# KiCad board SONATA-ONE.kicad_pcb (continued)
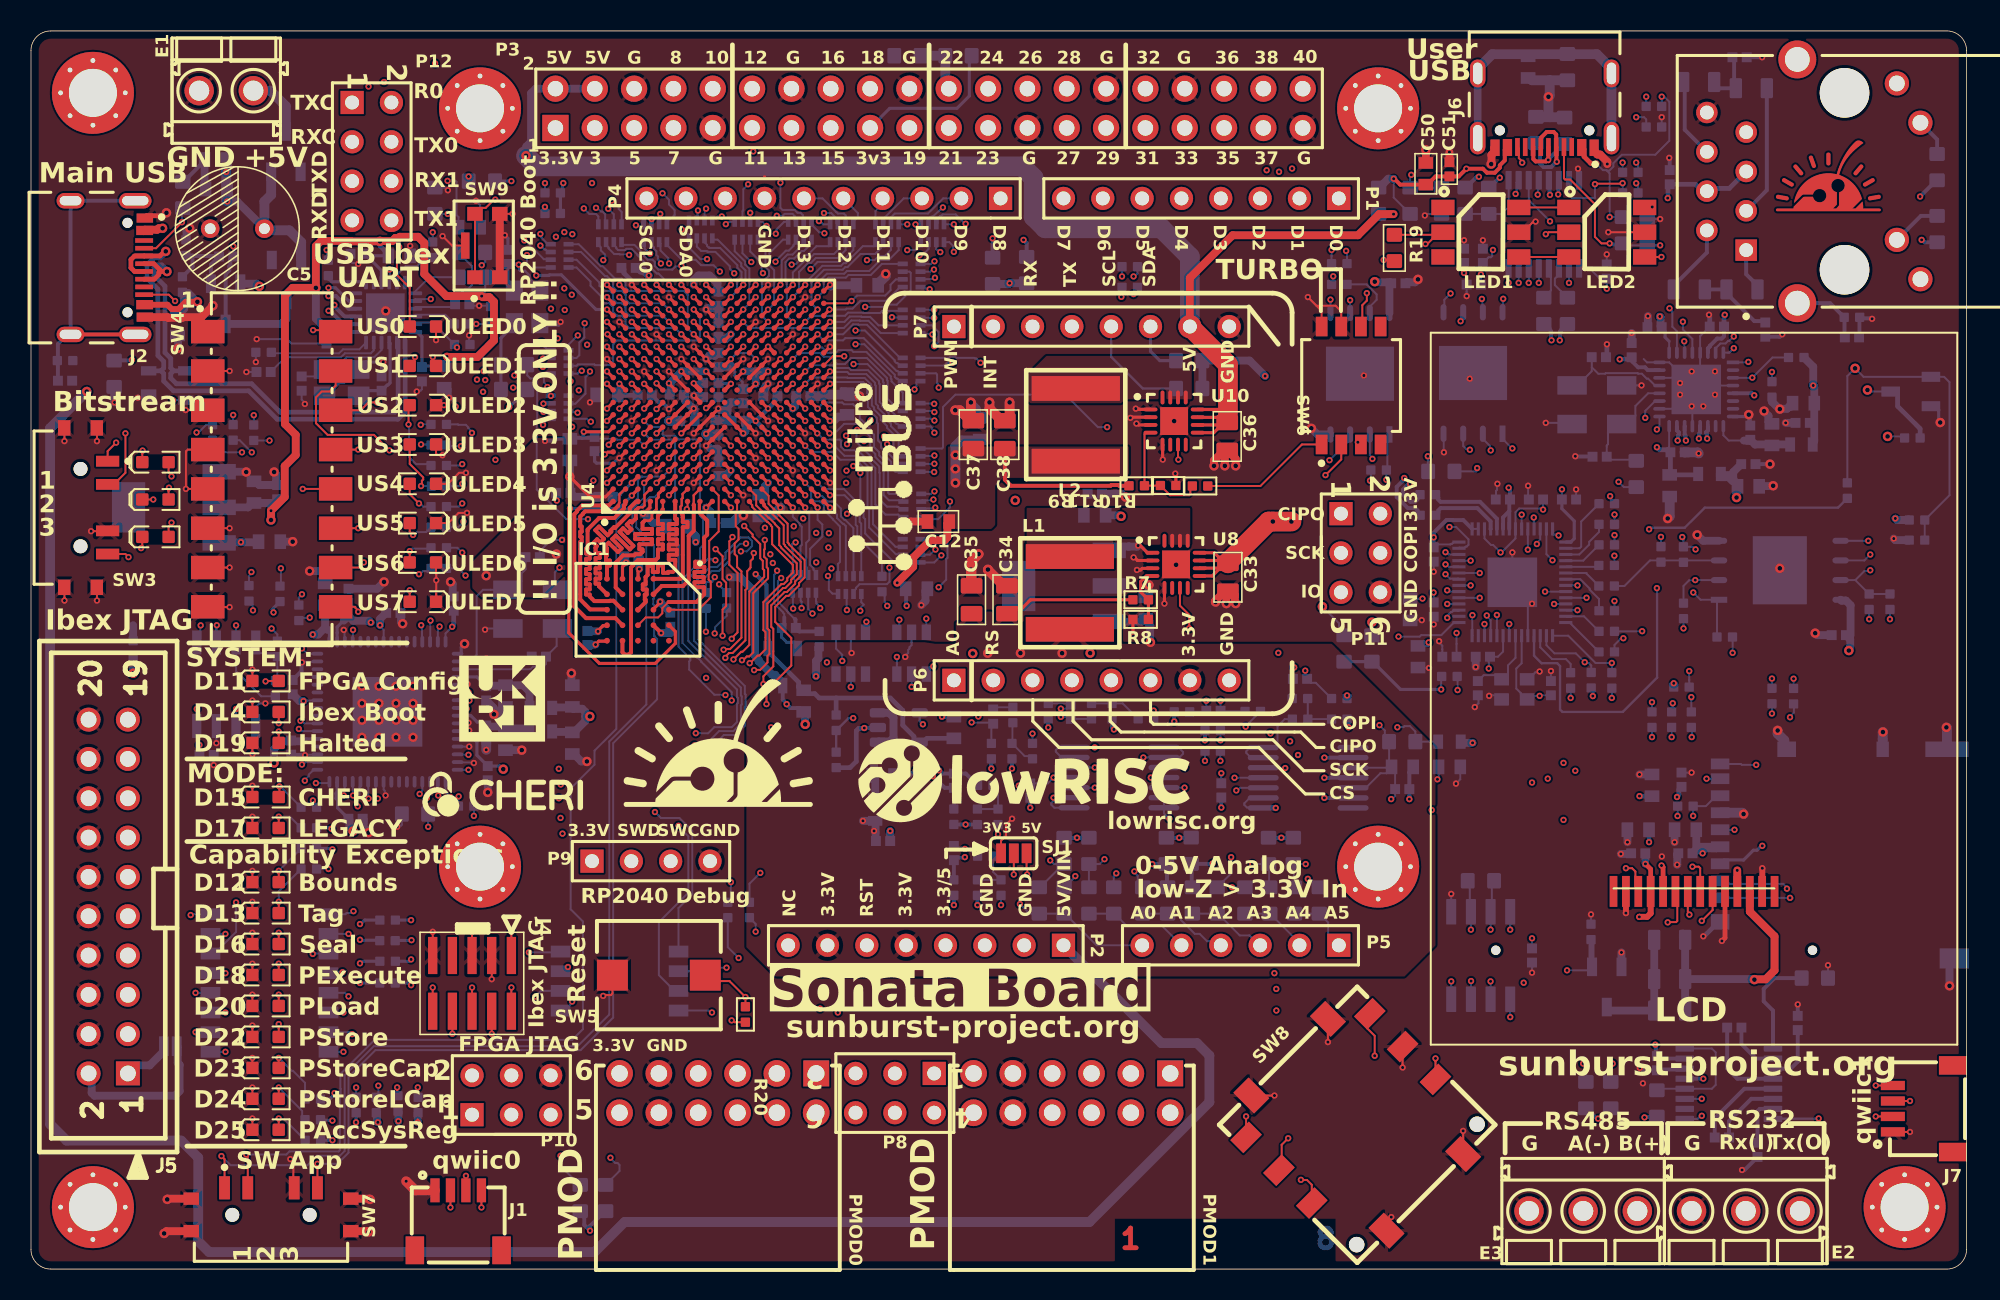
[diagram p0: board, top side]
## Routing (per net, layer and track width the routed paths; a pad name or vN(x,y) marks a point on that pad's centre or on a via; arc(x,y) is an arc through that point) (continued)
/FTDI Debug/CHC_TXD: length 45.3
  In6.Cu w0.127: P12.1 19.25,73.89 19.25,66.25 19.99,65.51 19.99,56.32 17.94,54.28 17.94,49.8 17.5,49.37 17.5,44.89 17.74,44.66 17.74,44.22 18.09,43.86 18.09,43.54 17.94,43.39 17.94,43.38 16.39,41.83 16.39,41.33 16.04,40.97 16.04,36.16 v2(17.3,34.9)
  Bottom w0.127: v2(17.3,34.9) 17.38,34.9 17.52,34.76 U5.38
/FTDI Debug/CHD_RXD: length 32.4
  In6.Cu w0.127: v2(20.8,41.3) 20.41,41.69 18.91,41.69 18.71,41.9 18.71,43.07 18.86,43.22 18.86,44.18 18.71,44.33 18.71,44.39 19,44.68 19,45.52 18.71,45.81 18.71,53.96 23.18,58.44 23.18,60.34 23.41,60.57 23.41,62.79 22,64.2 22,66.5 P12.7
  Bottom w0.127: U5.52 20.79,40.55 20.79,41.29 v2(20.8,41.3)
/FTDI Debug/CHD_TXD: length 34.8
  In6.Cu w0.127: P12.5 19.76,69.32 19.76,66.46 20.5,65.72 20.5,56.11 18.45,54.06 18.45,45.71 18.75,45.41 18.75,44.79 18.45,44.49 18.45,44.22 18.6,44.07 18.6,43.33 18.45,43.18 18.45,41.65 18.6,41.5 18.6,39.98 18.38,39.76 17.84,39.76 v2(17.5,40.1)
  Bottom w0.127: v2(17.5,40.1) 17.84,39.76 U5.48
/FTDI Debug/FTDI_N: length 34.7
  In1.Cu w0.254: v2(28.32,36.74) 28.29,36.76 27.6,36.76 23.41,40.96 23.41,42.76 20.84,45.33 20.84,47.52 20.67,47.68 20.67,55.88 17.31,59.25 17.31,61.41 17.91,62 19.09,62 19.18,61.92 v2(19.22,61.92)
  Bottom w0.254: U5.7 27.8,36.76 27.8,36.76 28.3,36.76 v2(28.32,36.74) ; v2(19.22,61.92) 19.26,61.92 19.34,61.84 19.38,61.84 20.18,61.05 U12.2
/FTDI Debug/FTDI_NRST: length 56.1
  In6.Cu w0.127: v2(19.09,65.85) 17.66,65.85 16,64.19 16,57.18 16.05,57.13 16.05,51.85 16.2,51.71 16.2,51.29 15.91,51 15.52,51 14.96,50.45 14.96,47.76 13.84,46.64 13.84,43.61 14.73,42.72 14.73,36.6 14.64,36.52 14.64,33.72 15.07,33.29 17.24,33.29 17.54,33.59 17.86,33.59 18.59,32.86 21.11,32.86 21.21,32.96 23.28,32.96 24.45,31.79 24.45,28.74 25.01,28.18 26.22,28.18 27.32,29.28 v2(28.6,29.28)
  Bottom w0.127: R42.2 v2(28.6,29.28)
  Bottom w0.203: v2(19.09,65.85) 19.13,65.81 19.13,65.26 R73.2
/FTDI Debug/FTDI_P: length 35.6
  In1.Cu w0.254: v2(28.13,36.2) 28.1,36.23 27.56,36.23 23,40.79 23,42.6 20.43,45.16 20.43,47.35 20.27,47.51 20.27,55.72 16.9,59.08 16.9,61.58 17.74,62.41 19.37,62.41 19.41,62.37 19.48,62.37 19.55,62.3 v2(19.6,62.3)
  Bottom w0.254: U12.3 20.25,61.55 19.67,62.13 ; U5.8 27.55,36.26 27.8,36.26 27.82,36.23 28.1,36.23 v2(28.13,36.2)
/Header Pins/AH_TMPIO0: length 35.4
  In4.Cu w0.127: v2(58.34,54.04) 58.4,54.1 58.73,54.1 58.8,54.17 65.62,54.17 69.03,57.57 76.1,57.57 79.89,61.36 79.89,64.61 P1.1
  Bottom w0.127: v2(58.34,54.04) 58.34,54.12 58.19,54.27 58.19,54.36 58.1,54.45 R188.1B
/Header Pins/AH_TMPIO1: length 33.6
  In4.Cu w0.127: v2(58.34,54.83) 63.23,54.83 66.23,57.83 76,57.83 79.63,61.46 79.63,66.89 P1.2
  Bottom w0.127: v2(58.34,54.83) 58.27,54.83 58.15,54.95 R188.2B
/Header Pins/AH_TMPIO2: length 32.1
  In4.Cu w0.127: v2(58.34,55.37) 58.35,55.37 61.06,58.08 75.89,58.08 79.38,61.57 P1.3
  Bottom w0.127: R188.3B 58.19,55.45 58.27,55.37 v2(58.34,55.37)
/Header Pins/AH_TMPIO3: length 28.4
  In4.Cu w0.127: P1.4 76.84,66.77 71.36,61.29 71.36,60.81 69.75,59.2 61.6,59.2 61.59,59.21 61.05,59.21 61.05,59.2 59.78,59.2 59.54,58.95 59.36,58.95 59.13,58.72 59.13,58.22 59.36,57.99 59.51,57.99 59.74,57.76 59.74,57.31 v2(58.33,55.91)
  Bottom w0.127: v2(58.33,55.91) 58.31,55.93 57.47,55.93 R188.4B
/Header Pins/AH_TMPIO4: length 16.4
  In6.Cu w0.127: P1.5 72.27,67.15 62.47,67.15 62.37,67.25 61.83,67.25 61.73,67.15 59.96,67.15 v2(59.6,67.5)
  Bottom w0.127: R189.1B v2(59.6,67.5)
/Header Pins/AH_TMPIO5: length 14.7
  In6.Cu w0.127: P1.6 70.08,67.5 60.4,67.5 v2(60.36,67.54)
  Bottom w0.127: v2(60.36,67.54) 60.32,67.54 59.72,68.14 58.88,68.14 58.79,68.06 58.72,68.06 58.55,67.89 58.55,67.59 R189.2B
/Header Pins/AH_TMPIO6: length 13.4
  In6.Cu w0.127: v2(58.89,68.59) 58.84,68.65 58.84,69.27 59.69,70.12 68.28,70.12 P1.7
  Bottom w0.127: v2(58.89,68.59) 58.26,68.04 58.05,67.97 58.01,67.93 57.95,67.77 R189.3B
/Header Pins/AH_TMPIO7: length 10.6
  In6.Cu w0.127: P1.8 65.44,67.94 59.48,67.94 59.04,67.5 v2(57.12,67.5)
  Bottom w0.127: R189.4B 57.46,67.5 v2(57.12,67.5)
/Header Pins/AH_TMPIO8: length 7.3
  In6.Cu w0.127: v2(56.59,67.5) 56.59,67.54 57.04,67.99 59,67.99 59.2,68.19 60.42,68.19 61.41,69.18 P4.1
  Bottom w0.127: R190.1B v2(56.59,67.5)
/Header Pins/AH_TMPIO9: length 5.5
  Bottom w0.127: R190.2B 55.54,67.95 55.78,68.2 57.93,68.2 58.91,69.18 P4.2
/Header Pins/AH_TMPIO10: length 3.4
  Bottom w0.127: P4.3 56.36,69.18 55.11,67.92 55.11,67.57 R190.3B
/Header Pins/AH_TMPIO11: length 1.9
  Bottom w0.127: P4.4 55,68.82 54.54,68.36 R190.4B
/Header Pins/AH_TMPIO12: length 2.2
  Bottom w0.127: R191.1B 53.11,67.68 53.4,67.97 53.4,68.24 P4.5
/Header Pins/AH_TMPIO13: length 3.7
  Bottom w0.127: P4.6 51.12,69.18 52,68.3 52.01,68.3 52.11,68.2 52.5,68.2 52.61,68.09 R191.2B
/Header Pins/AH_TMPIO14: length 49.3
  In6.Cu w0.127: v2(51.21,68.23) 51.27,68.18 51.27,67.89 51.28,67.88 51.28,67.55 50.85,67.12 50.85,66.77 51.13,66.49 53.29,66.49 53.4,66.6 54.57,66.6 54.69,66.49 61.66,66.49 61.94,66.21 62.27,66.21 66.06,62.42 77.55,62.42 80.91,59.06 80.91,51.52 81.83,50.6 83.75,50.6 84.6,49.75 P11.1
  Bottom w0.127: R191.3B 52.02,67.59 52.02,67.89 51.68,68.23 v2(51.21,68.23)
/Header Pins/AH_TMPIO15: length 49.7
  In6.Cu w0.127: v2(50.89,67.71) 50.59,67.42 50.59,66.66 51.02,66.23 53.39,66.23 53.51,66.35 54.47,66.35 54.58,66.23 61.55,66.23 61.83,65.95 62.17,65.95 65.95,62.17 77.44,62.17 80.33,59.28 80.33,51.74 83.22,48.85 83.22,47.65 P11.3
  Bottom w0.127: R191.4B 51.17,67.5 50.96,67.71 v2(50.89,67.71)
/Header Pins/AH_TMPIO16: length 38
  In6.Cu w0.127: P11.5 85.81,44.94 87.14,44.94 88.08,45.88 88.08,49.42 88.07,49.42 87.13,50.36 87.13,51.58 87.06,51.65 85.37,51.65 85.16,51.87 81.64,51.87 81.42,52.1 81.42,61.76 79.04,64.14 v2(71.21,64.14)
  Bottom w0.127: v2(71.21,64.14) 71.28,64.14 71.46,64.32 R168.2
/Header Pins/AH_TMPIO17: length 28.9
  In6.Cu w0.127: v2(71.21,63) 77.33,63 81.16,59.17 81.16,51.62 81.94,50.85 84.33,50.85 85.54,49.64 85.54,47.87 P11.4
  Bottom w0.127: R169.2 71.24,63.22 71.24,63.04 v2(71.21,63)
/Header Pins/MB0: length 15.9
  In6.Cu w0.127: P6.2 61.77,38.04 61.42,38.39 61.41,38.39 59.6,40.2 51.88,40.2 51.82,40.25 51.55,40.25 49.82,41.98 49.82,42.08 49.57,42.33 49.56,42.33 49.22,42.67 v2(49.22,42.68)
  Bottom w0.127: R178.1B 49.21,43.69 49.21,42.69 v2(49.22,42.68)
/Header Pins/MB1: length 18.1
  In6.Cu w0.127: v2(49.77,42.71) 49.77,42.68 50.08,42.37 50.08,42.09 51.65,40.51 51.93,40.51 51.98,40.45 62.27,40.45 P6.3
  Bottom w0.127: v2(49.77,42.71) 49.77,43.12 49.71,43.18 49.71,43.69 R178.2B
/Header Pins/MB2: length 20.2
  In6.Cu w0.127: P6.4 64.55,40.71 52.09,40.71 52.03,40.76 51.76,40.76 51.01,41.51 51.01,41.81 50.47,42.35 v2(50.47,42.36)
  Bottom w0.127: R178.3B 50.19,42.65 50.47,42.38 v2(50.47,42.36)
/Header Pins/MB3: length 22.3
  In6.Cu w0.127: v2(50.96,42.71) 50.96,42.27 51.29,41.95 51.29,41.59 51.86,41.02 52.14,41.02 52.19,40.96 66.34,40.96 69,38.3 69.5,38.3 P6.5
  Bottom w0.127: v2(50.96,42.71) 50.96,42.77 50.72,43.02 50.72,43.13 50.69,43.15 R178.4B
/Header Pins/MB4: length 27
  In6.Cu w0.127: v2(51.47,44.78) 51.47,42.59 52.13,41.93 53.31,41.93 53.52,42.14 53.72,42.14 53.77,42.19 54.01,42.43 68.05,42.43 71.46,39.02 71.46,38.88 P6.6
  Bottom w0.127: v2(51.47,44.78) 51.53,44.73 51.53,43.88 51.76,43.64 52.1,43.64 R180.1B
/Header Pins/MB5: length 42.3
  In6.Cu w0.127: v2(52.69,42.58) 52.77,42.58 53,42.81 53.17,42.81 53.86,43.5 57.46,43.5 57.59,43.37 59.2,43.37 59.32,43.5 59.4,43.5 59.75,43.86 59.75,47.26 58.42,48.59 58.27,48.59 57.19,49.68 57.19,55.32 58.17,56.3 58.88,56.3 59.1,56.52 59.13,56.52 59.21,56.6 68,56.6 P7.6
  Bottom w0.127: R180.2B 52.67,43.57 52.67,42.6 v2(52.69,42.58)
  Bottom w0.203: P7.6 72.3,59.3 72.9,58.7 R209.2
/Header Pins/MB6: length 43.3
  In6.Cu w0.127: v2(55.44,45.33) 55.45,45.33 55.99,45.33 57.7,43.63 59.09,43.63 59.5,44.03 59.5,47.16 58.32,48.34 58.17,48.34 56.93,49.58 56.93,55.43 58.07,56.56 58.78,56.56 58.99,56.77 59.02,56.77 59.17,56.91 59.18,56.91 59.22,56.95 64.6,56.95 68.55,60.9 P7.5
  Bottom w0.127: v2(55.44,45.33) 55.45,45.32 55.45,44.42 55.28,44.25 53.51,44.25 53.28,44.02 53.28,43.96 53.12,43.8 R180.3B
  Bottom w0.152: P7.5 69.76,58.94 71.8,56.9 R208.2
/Header Pins/MB7: length 35.2
  In6.Cu w0.127: P7.4 66.86,60.9 65.37,62.39 58.11,62.39 57.82,62.1 57.82,58.64 55.92,56.73 55.92,53.58 55.68,53.35 55.68,46.82 52.06,43.2 52.06,42.37 52.24,42.19 53.21,42.19 53.55,42.53 v2(53.56,42.53)
  Bottom w0.127: v2(53.56,42.53) 53.61,42.59 53.61,42.76 53.78,42.93 53.62,43.09 R180.4B
/Header Pins/MB8: length 22.7
  In6.Cu w0.127: P7.3 63.47,60.9 62.45,59.88 62.09,59.88 61.08,58.87 59.77,58.87 59.68,58.95 59.36,58.95 59.13,58.72 59.13,58.54 58.53,57.95 58.53,57.59 57.71,56.77 57.71,56.56 56.68,55.53 56.68,49.47 58.98,47.17 58.98,46.99 58.98,46.99 58.98,46.36 58.79,46.17 v2(58.79,46.12)
  Bottom w0.127: R184.1B 57.45,45.66 58.33,45.66 58.79,46.11 v2(58.79,46.12)
/Header Pins/MB9: length 19.7
  In6.Cu w0.127: v2(58.41,46.49) 58.44,46.49 58.73,46.78 58.73,46.89 56.42,49.19 56.42,55.64 57.45,56.66 57.45,56.87 58.28,57.7 58.28,58.05 58.87,58.65 58.87,58.83 59.78,59.73 60.97,59.73 P7.2
  Bottom w0.127: R184.2B 58.05,46.16 58.38,46.49 v2(58.41,46.49)
/Header Pins/MB10: length 24.6
  In6.Cu w0.127: P7.1 58.72,60.02 58.72,59.06 56.17,56.5 56.17,53.4 56,53.23 56,46.67 v2(58.62,44.06)
  Bottom w0.127: R184.3B 57.53,46.75 57.94,46.75 58.36,47.16 59.03,47.16 59.19,47 59.19,45.95 59.1,45.87 59.1,44.54 v2(58.62,44.06)
/Header Pins/PMOD0_1: length 72.5
  In6.Cu w0.127: v2(32.9,66.89) 32.51,66.5 32.51,66.2 32.42,66.11 32.42,65.1 32.15,64.82 32.15,64.63 31.79,64.28 31.79,58.44 32.12,58.11 32.12,40.76 32.49,40.4 32.49,35.43 33.36,34.55 33.36,26.74 36.87,23.23 36.87,20.85 43.57,14.15 45.61,14.15 46.68,13.08 46.68,10.1 47.73,9.05 48.61,9.05 49.66,10.1 49.66,10.54 50.71,11.59 PMOD0.1
  Bottom w0.127: v2(32.9,66.89) 32.95,66.83 32.95,66.66 33.39,66.22 R174.1B
/Header Pins/PMOD0_2: length 63
  In6.Cu w0.127: v2(32.9,66.13) 32.9,65.21 32.4,64.72 32.4,64.53 32.05,64.17 32.05,58.55 32.37,58.22 32.37,40.87 32.81,40.43 32.81,35.46 34.37,33.9 34.37,33.82 34.6,33.59 34.68,33.59 34.72,33.55 34.72,25.74 37.12,23.34 37.12,20.96 43.67,14.41 46.4,14.41 PMOD0.2
  Bottom w0.127: v2(32.9,66.13) 32.91,66.13 33.16,65.88 33.23,65.88 33.39,65.72 R174.2B
/Header Pins/PMOD0_3: length 74.3
  In6.Cu w0.127: PMOD0.3 44.43,11.44 44.43,9.43 43.5,8.5 38.12,8.5 36.11,10.51 36.11,22.92 32.6,26.42 32.6,34.01 31.19,35.42 31.19,45.8 31.28,45.88 31.28,56.26 30.64,56.89 30.64,65.25 v2(31.86,66.46)
  Bottom w0.127: v2(31.86,66.46) 31.91,66.46 33.12,65.25 33.53,65.25 R174.3B
/Header Pins/PMOD0_4: length 60.6
  In6.Cu w0.127: PMOD0.4 43.09,13.02 36.61,19.49 36.61,23.13 33.11,26.63 33.11,34.44 31.7,35.85 31.7,45.59 31.87,45.75 31.87,58.01 31.29,58.58 31.29,64.42 31.38,64.51 31.66,64.51 31.89,64.74 31.89,65.05 31.97,65.13 31.97,65.46 v2(32.03,65.52)
  Bottom w0.127: v2(32.03,65.52) 32.03,64.86 32.17,64.71 33.56,64.71 R174.4B
/Header Pins/PMOD0_5: length 89.8
  In6.Cu w0.127: PMOD0.7 48.6,7.99 37.91,7.99 35.6,10.3 35.6,22.71 32.09,26.21 32.09,32.16 31.2,33.05 31.2,33.79 30.65,34.34 30.65,52.55 30.14,53.07 30.14,65.66 32.64,68.16 35.52,68.16 35.56,68.12 39.8,68.12 39.92,68.24 40.15,68.24 40.8,68.9 40.8,69.49 v2(40.78,69.51)
  Bottom w0.127: v2(40.78,69.51) 41.2,69.09 41.2,68.79 41.57,68.42 41.57,68.11 41.34,67.89 41.27,67.89 41.07,67.68 R176.1B
/Header Pins/PMOD0_6: length 75.9
  In6.Cu w0.127: v2(40.64,68.18) 40.59,68.12 40.59,67.8 40.22,67.43 39.59,67.43 39.46,67.3 39.46,67.28 39.23,67.05 38.91,67.05 38.71,67.25 35.35,67.25 35.21,67.39 33.79,67.39 33.55,67.15 33.54,67.15 33.31,66.92 33.31,66.91 33.3,66.91 33.3,66.73 33.29,66.72 33.29,64.01 32.58,63.3 32.58,58.37 32.63,58.33 32.63,41.39 35.02,39 35.11,39 35.4,38.71 35.4,38.29 35.24,38.14 35.24,25.58 37.38,23.44 37.38,21.06 43.78,14.66 47.64,14.66 49.22,13.08 49.22,11.15 PMOD0.8
  Bottom w0.127: v2(40.64,68.18) 40.6,68.14 40.6,67.54 R176.2B
/Header Pins/PMOD0_7: length 79.9
  In6.Cu w0.127: PMOD0.9 43.78,8.25 38.01,8.25 35.85,10.41 35.85,22.81 32.35,26.31 32.35,33.91 30.9,35.35 30.9,52.66 30.39,53.17 30.39,65.55 32.74,67.9 35.42,67.9 35.47,67.85 v2(40.08,67.85)
  Bottom w0.127: v2(40.08,67.85) 40.07,67.83 R176.3B
/Header Pins/PMOD0_8: length 70.7
  In6.Cu w0.127: v2(39.07,67.44) 38.99,67.44 38.84,67.59 35.37,67.59 35.31,67.65 33.1,67.65 32.25,66.8 32.25,66.3 31.63,65.68 31.63,65.42 31.5,65.29 31.34,65.29 31.11,65.06 31.11,64.67 30.9,64.46 30.9,58.62 31.61,57.9 31.61,45.86 31.45,45.69 31.45,35.75 32.86,34.34 32.86,26.53 36.36,23.02 36.36,19.39 41.6,14.14 41.6,11.59 PMOD0.10
  Bottom w0.127: v2(39.07,67.44) 39.11,67.4 39.33,67.4 39.36,67.36 39.47,67.36 39.47,67.64 39.57,67.54 R176.4B
/Header Pins/PMOD1_1: length 69.5
  In3.Cu w0.127: PMOD1.1 73.57,15.8 67.51,21.86 59.81,21.86 59.55,22.11 59.37,22.11 58.71,22.77 58.71,22.78 57.97,23.52 57.97,29.77 57.31,30.42 50.46,30.42 45.63,35.25 45.63,36.14 45.65,36.16 45.65,36.9 41.85,40.7 41.75,40.7 37.27,45.18 37.27,45.25 34.16,48.37 34.16,48.9 33.57,49.49 33.57,52.2 34.1,52.73 34.1,55.48 33.57,56.02 33.57,56.41 v2(33.58,56.42)
  Bottom w0.127: v2(33.58,56.42) 33.57,56.43 R172.1B
/Header Pins/PMOD1_2: length 66.3
  In3.Cu w0.127: PMOD1.2 68.76,14.91 63.02,14.91 57.71,20.22 57.71,21.68 56.34,23.05 51.34,23.05 50.96,23.43 50.96,28.43 44.6,34.8 44.6,36.79 43.58,37.81 43.43,37.81 40.3,40.93 40.3,41.66 33.91,48.06 33.91,48.79 33.31,49.39 33.31,52.3 33.84,52.84 33.84,55.2 33.13,55.92 v2(33.1,55.92)
  Bottom w0.127: v2(33.1,55.92) 33.11,55.93 33.56,55.93 R172.2B
/Header Pins/PMOD1_3: length 63.5
  In3.Cu w0.127: PMOD1.3 66.47,14.66 62.91,14.66 57.46,20.11 57.46,21.58 56.24,22.8 51.16,22.8 50.71,23.25 50.71,28.33 44.34,34.69 44.34,36.68 44,37.02 43.85,37.02 34.15,46.72 34.13,46.72 33.44,47.42 33.44,48.9 33.06,49.28 33.06,52.41 33.59,52.94 33.59,54.88 33.1,55.37 v2(33.1,55.39)
  Bottom w0.127: v2(33.1,55.39) 33.12,55.41 33.54,55.41 R172.3B
/Header Pins/PMOD1_4: length 61.6
  In3.Cu w0.127: v2(33.07,54.55) 33.07,54.53 32.8,54.26 32.8,46 36.43,42.37 36.79,42.37 37.52,41.64 37.52,41.28 42.03,36.77 43.9,36.77 44.09,36.58 44.09,34.59 50.46,28.22 50.46,23.14 51.05,22.55 55.21,22.55 55.28,22.47 55.28,20.83 59.37,16.74 60.48,16.74 62.81,14.41 64.18,14.41 PMOD1.4
  Bottom w0.127: v2(33.07,54.55) 33.07,54.62 33.39,54.94 R172.4B
/Header Pins/PMOD1_5: length 82.8
  In6.Cu w0.127: PMOD1.7 72.08,11.59 72.08,13.08 69.49,15.68 44.2,15.68 39.69,20.18 39.69,25.94 39.71,25.97 39.71,35.74 36.41,39.04 36.41,39.13 35.53,40.01 35.44,40.01 35.09,40.37 35.09,44.65 35.46,45.02 35.46,50.54 35.4,50.6 35.4,51.31 34.73,51.97 34.73,54.07 34.55,54.25 34.55,54.59 34.73,54.77 34.73,56.92 34.45,57.2 34.45,58.35 32.98,59.83 v2(32.98,59.87)
  Bottom w0.127: R173.1B 33.39,59.37 33.03,59.73 33.03,59.82 v2(32.98,59.87)
/Header Pins/PMOD1_6: length 79.3
  In6.Cu w0.127: PMOD1.8 69.54,11.59 69.54,13.08 67.2,15.42 44.09,15.42 38.14,21.38 38.14,25.66 37.68,26.12 37.68,35.8 37.73,35.85 37.73,36.6 37.68,36.65 37.68,37.42 36.16,38.94 36.16,39.02 35.42,39.76 35.34,39.76 34.84,40.26 34.84,44.75 35.2,45.12 35.2,49.8 34.3,50.69 34.3,53.55 34.48,53.73 34.48,53.96 34.21,54.24 34.21,54.56 34.3,54.66 34.3,54.69 34.48,54.87 34.48,56.82 34.2,57.1 34.2,57.72 33.09,58.83 v2(33.07,58.83)
  Bottom w0.127: v2(33.07,58.83) 33.09,58.85 33.55,58.85 R173.2B
/Header Pins/PMOD1_7: length 76.3
  In6.Cu w0.127: v2(33.06,58.3) 33.07,58.3 33.95,57.42 33.95,56.99 34.23,56.71 34.23,54.98 34.05,54.8 34.05,54.76 33.95,54.67 33.95,54.13 34.23,53.86 34.23,53.83 34.05,53.66 34.05,50.59 34.33,50.31 34.33,49.85 34.42,49.76 34.42,48.49 34.78,48.13 34.78,45.06 34.58,44.86 34.58,40.16 35.23,39.5 35.32,39.5 35.9,38.92 35.9,38.83 37.43,37.31 37.43,36.55 37.48,36.49 37.48,35.96 37.43,35.91 37.43,26.01 37.88,25.56 37.88,21.27 43.99,15.17 64.91,15.17 67,13.08 67,11.59 PMOD1.9
  Bottom w0.127: R173.3B 33.53,58.33 33.1,58.33 v2(33.06,58.3)
/Header Pins/PMOD1_8: length 73.8
  In6.Cu w0.127: v2(33.35,56.99) 33.42,56.99 33.6,56.81 33.74,56.81 33.97,56.58 33.97,55.08 33.79,54.9 33.79,54.87 33.7,54.77 33.7,53.86 33.8,53.76 33.8,51.12 33.57,50.88 33.57,48.43 33.72,48.27 33.72,47.08 34.1,46.7 34.14,46.7 34.43,46.4 34.43,46.37 34.53,46.27 34.53,45.16 33.96,44.6 33.96,40.42 35.13,39.25 35.21,39.25 35.65,38.81 35.65,38.73 37.17,37.2 37.17,36.44 37.22,36.39 37.22,36.06 37.17,36.01 37.17,25.91 37.63,25.45 37.63,21.17 43.88,14.91 62.63,14.91 64.46,13.08 64.46,11.59 PMOD1.10
  Bottom w0.127: R173.4B 33.39,57.87 33.12,57.6 33.12,57.29 33.35,57.07 v2(33.35,56.99)
/Header Pins/PMODC_1: length 94.5
  In6.Cu w0.127: v2(35.7,68.53) 35.76,68.59 35.76,68.79 35.84,68.88 35.84,68.93 35.74,69.03 33.03,69.03 32.85,68.85 31.22,68.85 29.88,67.52 29.88,52.96 30.4,52.45 30.4,34.23 30.94,33.68 30.94,32.95 31.84,32.05 31.84,26.1 35.34,22.6 35.34,10.2 37.8,7.74 49.84,7.74 51.76,9.66 51.76,9.94 52.86,11.04 56.73,11.04 P8.1
  Bottom w0.127: R194.4B 36.64,68.02 36.48,68.18 36.06,68.18 v2(35.7,68.53)
/Header Pins/PMODC_2: length 17.2
  In3.Cu w0.127: v2(52.11,16.58) 52.16,16.52 52.16,16.27 P8.2
  In6.Cu w0.127: v2(45.7,20.1) 46.3,19.5 46.3,18.54 48.4,16.44 51.13,16.44 51.27,16.58 v2(52.11,16.58)
  Bottom w0.127: 44.77,22.47 R186.2 45,20.8 v2(45.7,20.1)
/Header Pins/PMODC_3: length 14.9
  In3.Cu w0.127: v2(50.96,16.83) 50.96,16.64 50.73,16.41 50.73,16.3 50.71,16.27 50.71,15.18 P8.3
  In6.Cu w0.127: v2(50.96,16.83) 49.7,16.83 49.63,16.76 48.44,16.76 46.56,18.64 46.56,21.36 46.8,21.6 v2(46.8,21.8)
  Bottom w0.127: v2(46.8,21.8) 46.8,22.3 R187.2
/Header Pins/PMODC_4: length 91.3
  In3.Cu w0.127: P8.4 57.02,8.79 47.99,8.79 46.8,9.98 46.8,21.24 46.41,21.64 46.41,31.19 43.33,34.27 43.33,35.93 43.25,36.01 41.36,36.01 36.62,40.74 36.52,40.74 35.66,41.61 35.4,41.61 30.9,46.11 28.7,46.11 28.7,46.27 25.56,49.4 25.56,50.41 25.58,50.43 25.58,51.33 25.56,51.35 25.56,52.92 25.58,52.94 25.58,53.44 25.56,53.46 25.56,56.94 31.43,62.8 31.69,62.8 32.69,63.81 32.8,63.81 33.03,64.04 33.03,64.14 35.23,66.35 35.23,66.48 35.36,66.6 35.36,67.62 35.31,67.67 35.31,68.7 35.9,69.28 37.2,69.28 37.44,69.04 v2(37.51,69.04)
  Bottom w0.127: 38.15,67.51 38.15,68.31 37.96,68.49 37.96,68.58 37.51,69.03 v2(37.51,69.04)
/Header Pins/PMODC_5: length 86.1
  In3.Cu w0.127: P8.5 54.58,10.1 53.53,9.05 50.27,9.05 49.43,9.89 49.43,19.61 49.84,20.03 49.84,28.12 43.58,34.38 43.58,36.04 43.35,36.26 41.82,36.26 37.01,41.07 37.01,41.43 36.58,41.86 36.22,41.86 31.71,46.37 28.95,46.37 25.82,49.5 25.82,50.3 25.84,50.32 25.84,51.44 25.82,51.46 25.82,52.82 25.84,52.84 25.84,53.55 25.82,53.57 25.82,56.83 31.54,62.55 31.79,62.55 32.79,63.55 32.9,63.55 35.99,66.64 35.99,67.11 36.11,67.23 36.11,67.71 36.18,67.79 36.18,68.32 36.1,68.41 36.1,68.76 36.37,69.03 36.77,69.03 37.28,68.52 v2(37.28,68.51)
  Bottom w0.127: R194.2B 37.64,68.16 37.28,68.51 v2(37.28,68.51)
/Header Pins/PMODC_6: length 80.1
  In3.Cu w0.127: P8.6 52.2,10.1 50.69,11.61 49.79,11.61 49.68,11.72 49.68,16.56 49.84,16.72 49.84,19.67 50.09,19.92 50.09,28.22 43.84,34.48 43.84,36.44 43.76,36.52 41.92,36.52 37.27,41.18 37.27,41.53 36.69,42.11 36.33,42.11 31.32,47.12 29.8,47.12 29.76,47.16 29.44,47.16 29.39,47.12 28.58,47.12 27.78,47.91 27.77,47.91 27.54,48.15 27.54,48.16 26.07,49.62 26.07,50.2 26.09,50.22 26.09,51.54 26.07,51.56 26.07,52.71 26.09,52.73 26.09,53.65 26.07,53.67 26.07,56.73 31.64,62.3 31.9,62.3 32.9,63.3 33.01,63.3 36.24,66.54 36.24,67.01 36.36,67.12 36.36,67.61 36.49,67.74 v2(36.49,68.57)
  Bottom w0.127: v2(36.49,68.57) 36.57,68.57 36.8,68.34 36.9,68.34 37.08,68.15 37.08,67.56 R194.3B
/Header Pins/RPH_G0: length 14.4
  In4.Cu w0.127: P3.27 66.89,71.68 62.2,66.99 61.94,66.99 61.71,66.76 61.71,66.5 60.32,65.12 v2(58.35,65.12)
  Bottom w0.127: R179.4B 58.11,64.95 58.27,65.12 v2(58.35,65.12)
/Header Pins/RPH_G1: length 19.6
  In4.Cu w0.127: P3.28 67.93,75.23 67.93,72.95 67.14,72.16 67.14,71.58 62.76,67.2 62.76,66.43 v2(58.33,61.99)
  Bottom w0.127: v2(58.33,61.99) 58.32,61.98 57.46,61.98 R183.4B
/Header Pins/RPH_G2: length 35.5
  In1.Cu w0.152: v2(43.08,68.4) 43.08,66.93 43.51,66.49 51.4,66.49 51.68,66.78 61.04,66.78 61.22,66.6 v2(62.1,66.6)
  In6.Cu w0.127: P3.3 37.63,74.95 40.04,74.95 40.12,74.87 40.12,72.15 40.25,72.01 41.07,72.01 41.45,71.63 41.45,71.62 43.3,69.78 43.3,68.87 43.08,68.65 v2(43.08,68.4)
  Bottom w0.127: 43,67.67 43.05,67.71 43.05,68.37 v2(43.08,68.4)
  Bottom w0.254: R206.1 v2(62.1,66.6)
/Header Pins/RPH_G3: length 33.9
  In1.Cu w0.152: v2(42.03,67.18) 42.03,66.48 42.29,66.21 51.51,66.21 51.8,66.5 60.92,66.5 61.23,66.19 62.27,66.19 62.57,66.5 v2(64.1,66.5)
  In6.Cu w0.127: v2(42.03,67.18) 42.05,67.2 42.05,67.85 41.2,68.7 41.2,71.48 41.2,71.48 41.2,71.53 40.97,71.76 39.49,71.76 38.95,72.3 P3.5
  Bottom w0.127: v2(42.03,67.18) 42.18,67.18 42.5,67.49 42.5,67.67
  Bottom w0.254: v2(64.1,66.5) 64.3,66.3 R207.1
/Header Pins/RPH_G4: length 11.5
  In6.Cu w0.127: v2(47.5,67.4) 47.5,67.4 47.22,67.12 44.71,67.12 43.99,67.84 43.99,68.69 43.81,68.88 43.81,71.41 P3.7
  Bottom w0.127: v2(47.5,67.4) 47.23,67.67 R177.1B
/Header Pins/RPH_G5: length 24.5
  In4.Cu w0.127: v2(57.06,56.84) 57.09,56.87 57.09,57.23 58.62,58.75 58.62,58.93 59.15,59.46 59.33,59.46 59.57,59.71 60.84,59.71 60.84,59.71 61.8,59.71 61.81,59.71 62.28,59.71 63.74,61.17 63.74,61.29 67.87,65.42 67.87,72.17 P3.29
  Bottom w0.127: v2(57.06,56.84) 57.06,56.91 57.19,57.04 57.19,57.29 57.27,57.38 R181.1B
/Header Pins/RPH_G6: length 30.9
  In4.Cu w0.127: P3.31 71.97,73.72 72.7,72.99 72.7,62.99 71.11,61.39 71.11,60.92 69.64,59.45 61.71,59.45 61.7,59.46 60.95,59.46 60.94,59.45 59.68,59.45 59.43,59.21 59.25,59.21 58.87,58.83 58.87,57.26 58.62,57 v2(58.62,56.95)
  Bottom w0.127: v2(58.62,56.95) 58.57,57.01 58.57,57.2 58.52,57.25 58.52,57.8 58.44,57.88 R181.2B
/Header Pins/RPH_G7: length 26
  In4.Cu w0.127: P3.26 62.85,74.77 55.77,74.77 55.58,74.58 55.58,72.94 53.97,71.33 53.97,68.63 55.69,66.91 55.69,64.87 56.96,63.6 56.96,62.81 58.31,61.46 v2(58.33,61.46)
  Bottom w0.127: v2(58.33,61.46) 58.32,61.47 57.46,61.47 R183.3B
/Header Pins/RPH_G8: length 30.8
  In4.Cu w0.127: v2(58.33,59.63) 58.29,59.63 56.7,61.22 56.7,61.26 55.03,62.93 55.03,63.77 54.7,64.09 54.7,64.51 55.03,64.83 55.03,65.24 53.46,66.81 53.46,69.51 53.15,69.82 53.15,74.89 53.33,75.08 54.73,75.08 55.38,75.73 55.38,76.8 55.89,77.31 60.77,77.31 P3.24
  Bottom w0.127: v2(58.33,59.63) 58.61,59.91 58.61,60.56 58.19,60.98 R183.2B
/Header Pins/RPH_G9: length 13.2
  In4.Cu w0.127: v2(58.38,64.05) 57.8,64.05 56.2,65.66 56.2,70.66 P3.21
  Bottom w0.127: R179.2B 57.46,63.96 58.21,63.96 58.3,64.05 v2(58.38,64.05)
/Header Pins/RPH_G10: length 12.3
  In4.Cu w0.127: v2(58.04,63.31) 55.94,65.4 55.94,72.94 P3.19
  Bottom w0.127: v2(58.04,63.31) 57.98,63.36 57.53,63.36 R179.1B
/Header Pins/RPH_G11: length 11.8
  In4.Cu w0.127: P3.23 58.48,70.4 58.48,68.58 57.96,68.06 57.96,64.94 v2(58.32,64.58)
  Bottom w0.127: R179.3B 58.1,64.45 58.24,64.58 v2(58.32,64.58)
/Header Pins/RPH_G12: length 49.9
  In4.Cu w0.127: v2(58.33,51.5) 58.32,51.5 56.98,52.84 56.98,53.32 55.21,55.1 55.21,62.11 54.77,62.54 54.77,63.67 54.45,63.99 54.45,64.61 54.77,64.93 54.77,65.14 53.14,66.77 53.14,66.85 51.52,68.48 51.52,71.73 52.84,73.05 52.84,76.87 53.54,77.56 70.68,77.56 P3.32
  Bottom w0.127: v2(58.33,51.5) 58.32,51.51 57.46,51.51 R185.1B
/Header Pins/RPH_G13: length 33.1
  In4.Cu w0.127: v2(59.52,58.56) 59.6,58.56 59.83,58.79 59.93,58.79 60.08,58.94 61.15,58.94 61.16,58.95 61.49,58.95 61.5,58.94 71.67,58.94 73.65,60.92 73.65,61.39 77.78,65.53 77.78,70.46 P3.33
  Bottom w0.127: R181.3B 57.45,58.38 58.96,58.38 59.13,58.55 59.51,58.55 v2(59.52,58.56)
/Header Pins/RPH_G16: length 51.4
  In4.Cu w0.127: P3.36 78.55,74.77 82.56,74.77 85.4,71.93 85.4,68.17 80.14,62.92 80.14,58.84 75.54,54.24 71.23,54.24 70.86,54.61 70.84,54.61 70.65,54.79 66.61,54.79 65.73,53.92 60.25,53.92 58.37,52.04 v2(58.34,52.04)
  Bottom w0.127: R185.2B 57.46,52.03 58.33,52.03 v2(58.34,52.04)
/Header Pins/RPH_G17: length 6.6
  In6.Cu w0.127: P3.11 46.57,73.36 45.92,72.71 45.92,69.93 46.06,69.79 46.06,69.76 46.22,69.6 46.22,68.4 46.37,68.25 v2(46.45,68.25)
  Bottom w0.127: R177.2B v2(46.45,68.25)
/Header Pins/RPH_G18: length 13.5
  In6.Cu w0.127: v2(48.4,70.2) 48.41,70.21 48.41,70.59 49.41,71.59 49.71,71.59 50.3,72.17 50.3,74.6 50,74.9 47.94,74.9 P3.12
  Bottom w0.127: R182.2B 49.85,67.72 49.85,68.1 49.7,68.25 49.5,68.25 49.32,68.43 48.53,68.43 48.4,68.57 v2(48.4,70.2)
/Header Pins/RPH_G19: length 32.7
  In4.Cu w0.127: P3.35 78.03,72.75 78.03,65.42 73.9,61.29 73.9,60.81 71.56,58.47 66.52,58.47 66.44,58.56 v2(61.32,58.56)
  Bottom w0.127: R181.4B 59.28,58.88 59.36,58.95 59.68,58.95 59.76,58.88 60.92,58.88 60.96,58.84 61.04,58.84 v2(61.32,58.56)
/Header Pins/RPH_G20: length 42
  In4.Cu w0.127: P3.38 78.55,77.31 76.62,77.31 75.64,76.33 75.64,75.93 74.65,74.94 69.17,74.94 68.18,73.96 68.18,72.84 67.62,72.28 67.62,67.71 63.59,63.68 63.59,63.54 63.36,63.31 63.22,63.31 61.2,61.29 61.2,60.73 60.43,59.96 59.47,59.96 59.22,59.71 59.04,59.71 58.37,59.04 58.37,58.86 56.67,57.16 56.67,54.25 v2(58.34,52.57)
  Bottom w0.127: R185.3B 57.47,52.54 58.32,52.54 v2(58.34,52.57)
/Header Pins/RPH_G21: length 51.4
  In4.Cu w0.127: P3.40 82.13,75.85 85.65,72.33 85.65,68.07 80.71,63.12 80.71,58.09 75.77,53.14 71.97,53.14 70.75,54.35 69.55,54.35 v2(69.5,54.4)
  Bottom w0.127: R185.4B 58.83,53.02 58.9,53.09 58.9,55.7 59.7,56.5 66.8,56.5 68.9,54.4 v2(69.5,54.4)